# Allegro board P2597_B04_Allegro_layout.brd (continued)
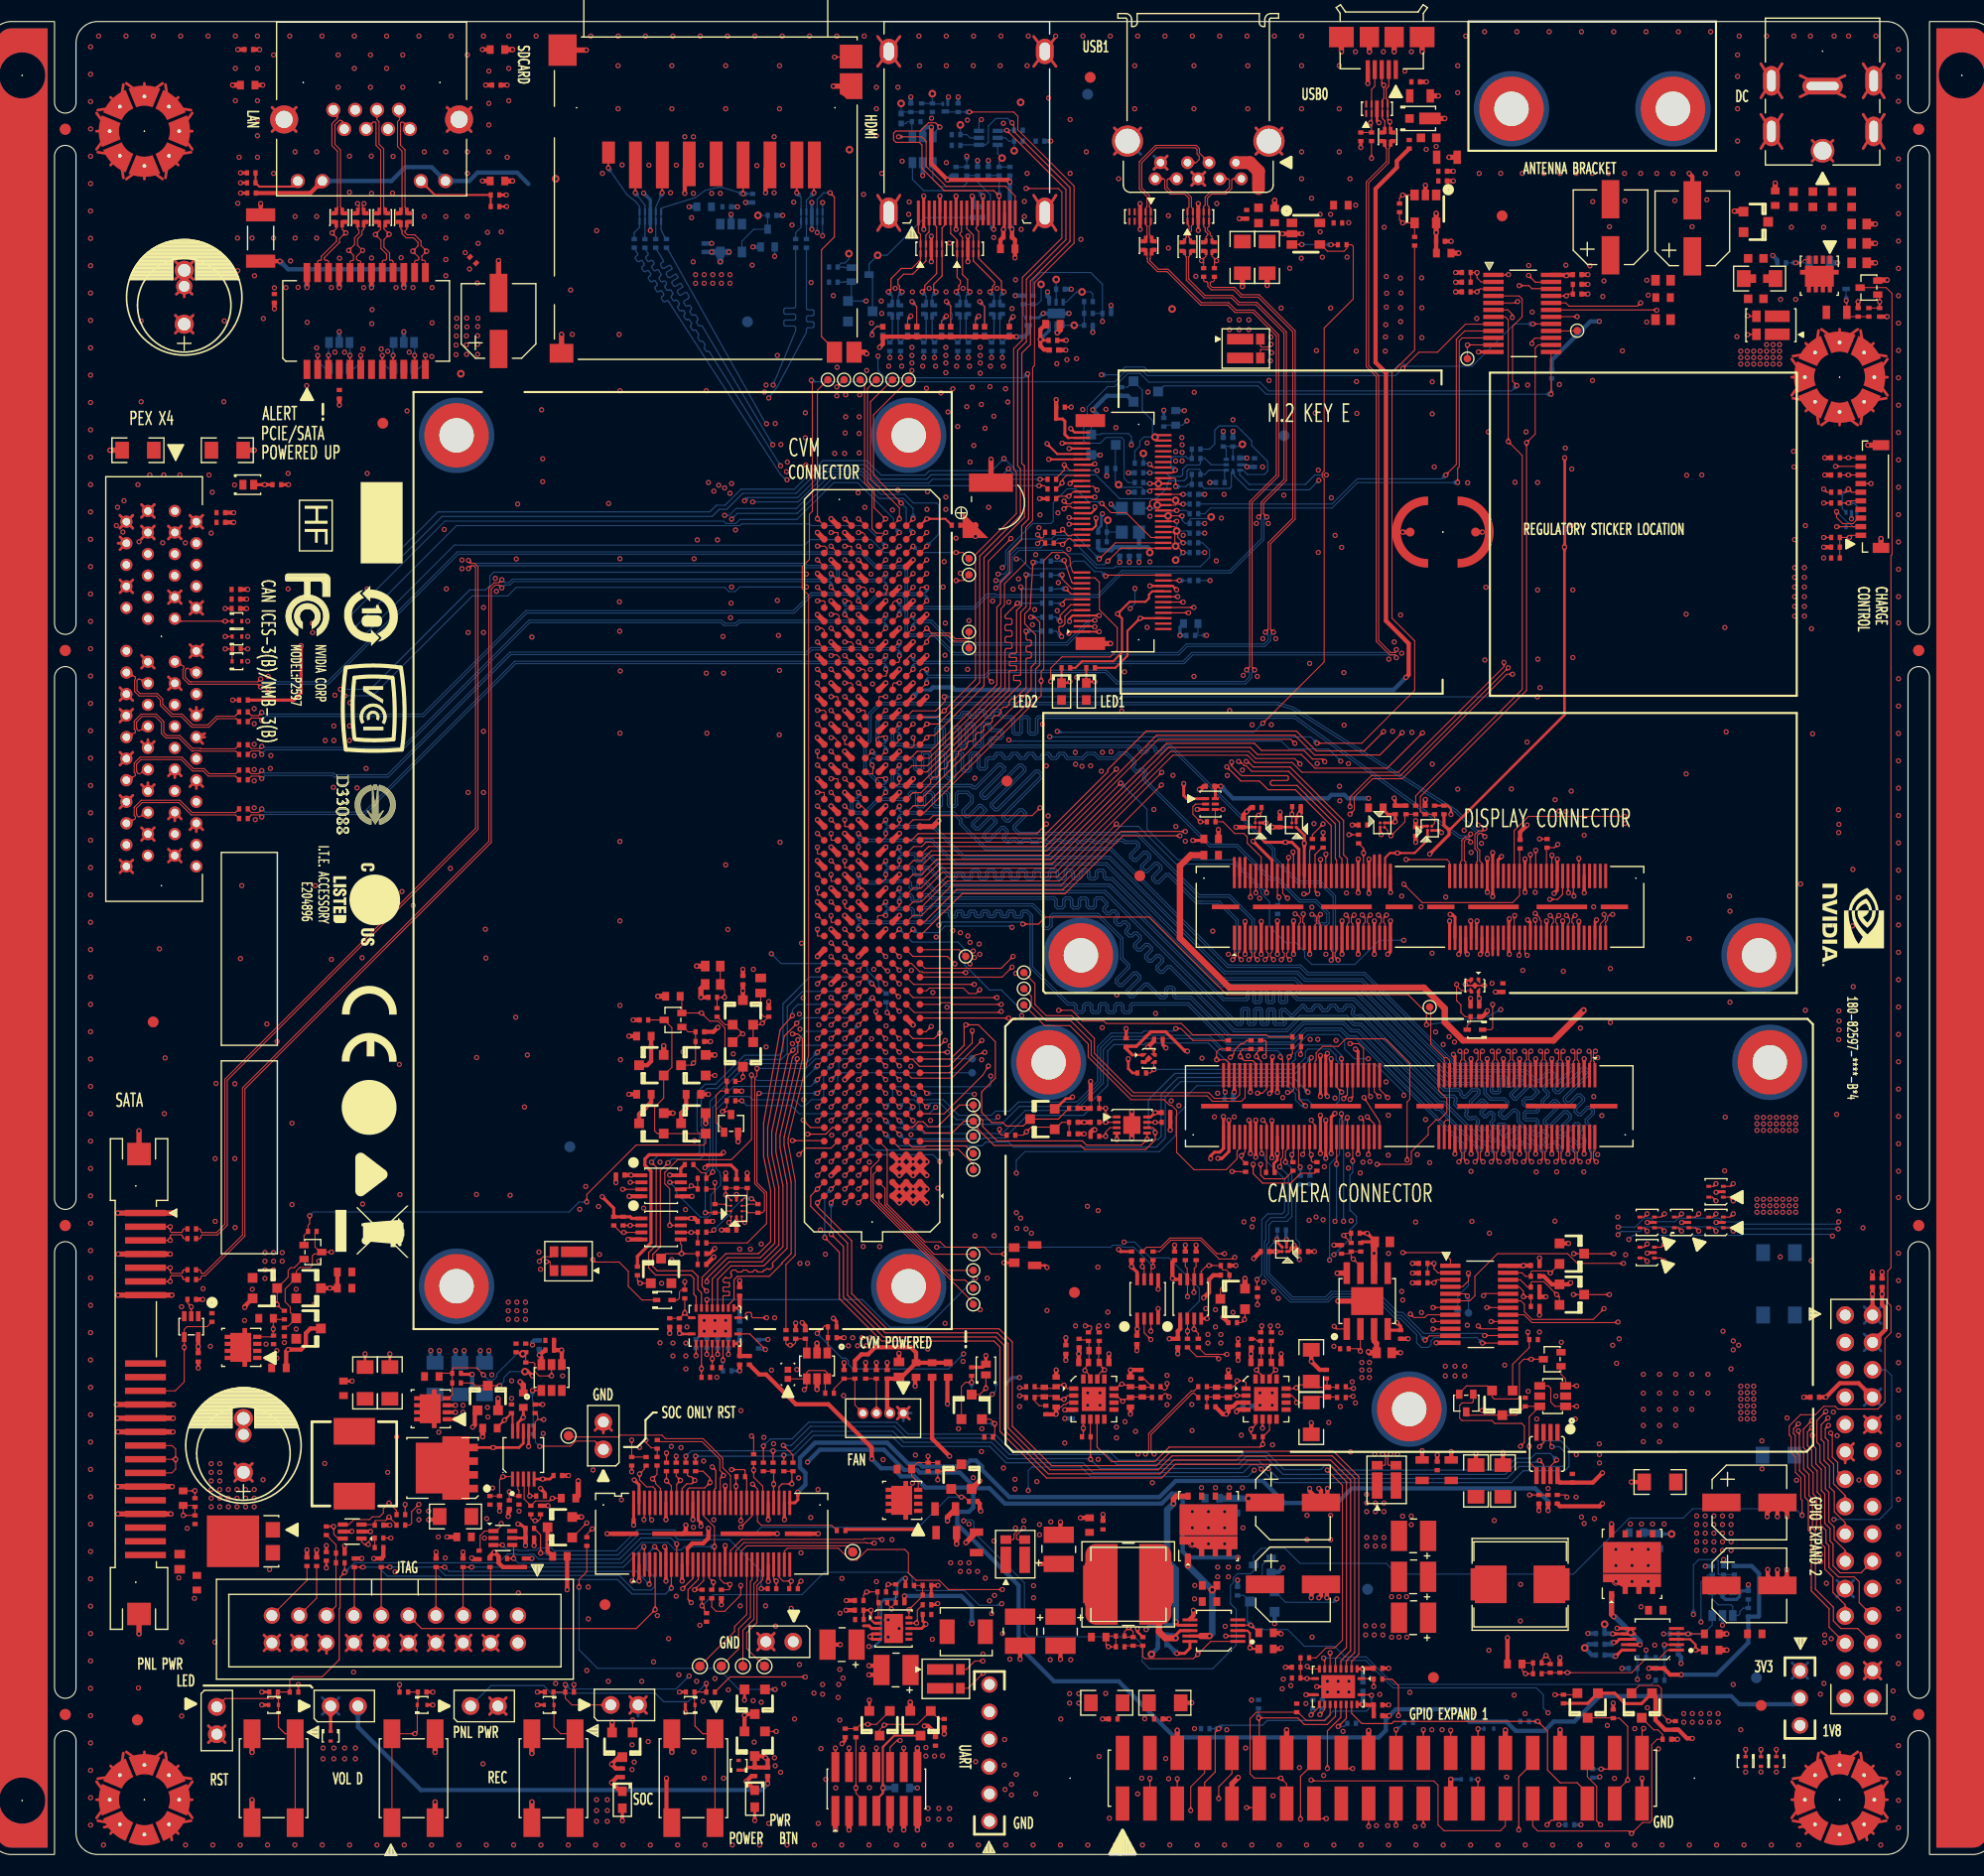
[diagram p0: board, top side]
## Library data of the parts (continued)
Q19 = Q_FET_P_ENH: alternate symbols: (); part number: Q_FET_P_ENH_DFN3X3-AM7321P,-20V,-1000MOHM@10V / 14MOHM@4.5V / 19MOHM@2.5V,-13A,-50A,8V,3.5W,[ ]@10V / [ ]@4.5V / [ ]@2.5V,300-0726-000
Q20 = Q_FET_P_ENH: alternate symbols: (); part number: Q_FET_P_ENH_SOT23_1G1D1S-SI2305CDS,-8V,35MOHM@10V / 35MOHM@4.5V / 35MOHM@2.5V,-5.8A,-10A,8V,1.7W,[ ]@10V / [ ]@4.5V / [ ]@2.5V,300-0568-000
Q23 Q29 = Q_FET_N_ENH: alternate symbols: (); part number: Q_FET_N_ENH_WPAK_DUAL_COPAD-SIZ918DT-T1-GE3,30V / 30V,12MOHM,3.7MOHM@10V / 14.5MOHM,4.5MOHM@4.5V / -1000MOHM,-1000MOHM@2.5V,14.3A / 26A,50A / 110A,20V / 20V,4.2W / 4.2W,[ ],[ ]@10V / [ ],[ ]@4.5V / [ ],[ ]@2.5V,300-0785-000
Q505 = Q_FET_N_ENH: alternate symbols: (); part number: Q_FET_N_ENH_DFN1006-DMN26D0UFB4,20V,999MOHM@10V / 3000MOHM@4.5V / 4000MOHM@2.5V,0.14A,0.805A,10V,0.35W,999NC@10V / 999NC@4.5V / 999NC@2.5V,300-0868-000
Q506 = Q_FET_N_ENH: alternate symbols: (); part number: Q_FET_N_ENH_SOT363-NTJD4001N,30V,1500MOHM@10V / 1500MOHM@4.5V / 1500MOHM@2.5V,0.25A,0.25A,20V,0.272W,[ ]@10V / [ ]@4.5V / [ ]@2.5V,300-0402-000
Q507 = Q_NPN: alternate symbols: (); part number: Q_NPN_DFN1006-MMBT3904LP-7,40V,0.3V,0.2A,9999A,6V,0.25W,300-0869-000
R1 = R: alternate symbols: (0402_OLD); part number: R_0402-49.9K,1 %,62.5MW,195-0340-000; signal model: nv_res
R2 = R: alternate symbols: (0402_OLD); part number: R_0402-10OHM,5 %,62.5MW,195-0483-000; signal model: nv_res
R3 R273 R501 R504 R506 R509 R513 R522 = R: alternate symbols: (0402_OLD); part number: R_0402-10K,5 %,62.5MW,195-0486-000; signal model: nv_res; signal model: DEFAULT_RESISTOR_10000OHM_2_1
R6 R12 R14 R25 R30-R35 R40 R42 R45 R56 R59 R74 R79-R82 R84-R87 R89 R90 R95 R100 R102 R109 R120 R122 R142 R143 R145 R147 R152 R165 R168 R175 R178 R182 R187 R189 R191 R192 R194 R197 R198 R202 R206 R207 R209 R218 R222-R224 R226 R230 R231 R238 R253 R270 R304 R310-R313 R316-R319 R322 R342 R343 R348 R507 R508 R510 R511 R517-R519 R526-R532 R537 R539-R542 R545 R547 R557 R558 R560 R564 R569 R572 R585 R592 R593 = R: alternate symbols: (0402_OLD); part number: R_0402-0OHM,0.05 OHM,62.5MW,195-2655-000; signal model: nv_res
R7 R49 R51 R62 R63 R78 R83 R94 R105 R112-R114 R121 R127 R128 R132 R174 R177 R188 R190 R237 R272 R301 R314 R315 R324 R325 R544 R578 R580 = R: alternate symbols: (0402_OLD); part number: R_0402-100K,1 %,62.5MW,195-0005-000; signal model: nv_res
R8 R46 R47 = R: alternate symbols: (0603_OLD); part number: R_0603-0OHM,0.05 OHM,0.1W,195-2656-000; signal model: nv_res; signal model: DEFAULT_RESISTOR_0.001OHM_2_1
R10 R44 = R: alternate symbols: (0402_OLD); part number: R_0402-681OHM,1 %,62.5MW,195-0403-000; signal model: nv_res; signal model: DEFAULT_RESISTOR_510OHM_2_1
R11 R37 R129 = R: alternate symbols: (0402_OLD); part number: R_0402-75K,5 %,62.5MW,195-0634-000; signal model: nv_res
R13 R115 R131 R323 R548 R549 = R: alternate symbols: (0402_OLD); part number: R_0402-4.7K,5 %,62.5MW,195-0598-000; signal model: nv_res
R15 R16 R38 R43 R48 R92 R93 R96 R98 R117 R118 R148 R149 R155-R158 R172 R232-R234 R236 R239-R241 R246-R249 R254 R255 R259 R260 R559 R570 R573 = R: alternate symbols: (0402_OLD); part number: R_0402-10K,5 %,62.5MW,195-0486-000; signal model: nv_res
R17 R18 R20 R21 R23 R24 R26 R28 R41 R52 R66-R69 R71 R73 R76 R91 R103 R106-R108 R110 R111 R135 R150 R167 R169 R173 R176 R181 R186 R220 R229 R268 R269 R551-R556 = R: alternate symbols: (0402_OLD); part number: R_0402-0OHM,0.05 OHM,62.5MW,195-2655-000; signal model: nv_res; signal model: DEFAULT_RESISTOR_0.001OHM_2_1
R19 R22 R27 R29 R36 R39 R77 R116 R144 R164 R196 R200 R205 R215 R228 R235 R242 R244 R257 R261-R263 R266 R267 R271 R274 R306 R320 R503 R516 R520 R521 R523 R525 R543 R546 R591 = R: alternate symbols: (0402_OLD); part number: R_0402-47K,5 %,62.5MW,195-0599-000; signal model: nv_res
R50 = R: alternate symbols: (0402_OLD); part number: R_0402-20OHM,5 %,62.5MW,195-0533-000; signal model: nv_res
R53 = R: alternate symbols: (0402_OLD); part number: R_0402-2.21K,1 %,62.5MW,195-0169-000; signal model: nv_res
R54 = R: alternate symbols: (0402_OLD); part number: R_0402-16.2K,1 %,62.5MW,195-0105-000; signal model: nv_res
R55 = R: alternate symbols: (0402_OLD); part number: R_0402-5.9K,1 %,62.5MW,195-0374-000; signal model: nv_res
R57 R65 = R: alternate symbols: (0603_OLD); part number: R_0603-47OHM,5 %,0.1W,195-1246-000; signal model: nv_res
R58 R133 R138 R193 = R_SENSE_4PIN: alternate symbols: (); part number: R_SENSE_4PIN_R_SENSE_4PIN-0.01OHM,1%,1W,[ ],215-0142-000; signal model: nv_res_sense_4p_noxnet
R60 R101 R104 R146 R154 = R: alternate symbols: (0402_OLD); part number: R_0402-330OHM,5 %,62.5MW,195-0569-000; signal model: nv_res
R61 R97 R137 R305 = R: alternate symbols: (0402_OLD); part number: R_0402-0OHM,0.01 OHM,0.125W,195-1691-000; signal model: nv_res
R64 R308 = R: alternate symbols: (0603_OLD); part number: R_0603-100OHM,5 %,0.1W,195-1134-000; signal model: nv_res
R70 R119 R204 = R: alternate symbols: (0402_OLD); part number: R_0402-20K,1 %,62.5MW,195-0150-000; signal model: nv_res
R72 R99 R136 R203 R252 R321 R326-R337 R339-R341 R344-R346 R502 R505 R3238 = R: alternate symbols: (0402_OLD); part number: R_0402-1M,5 %,62.5MW,195-0488-000; signal model: nv_res
R75 = R: alternate symbols: (0603_OLD); part number: R_0603-36OHM,5 %,0.1W,195-1225-000; signal model: nv_res
R88 = R: alternate symbols: (0402_OLD); part number: R_0402-10M,5 %,62.5MW,195-0489-000; signal model: nv_res
R123 = R: alternate symbols: (0402_OLD); part number: R_0402-25.5K,1 %,62.5MW,195-0200-000; signal model: nv_res
R124 R139 R140 R153 R160 R170 R171 R179 R180 R199 R201 R208 R210 R213 R214 R589 R590 R594-R596 = R: alternate symbols: (0402_OLD); part number: R_0402-10OHM,1 %,62.5MW,195-0001-000; signal model: nv_res
R125 R349 R524 R538 R561 R574 = R: alternate symbols: (0402_OLD); part number: R_0402-1.8K,5 %,62.5MW,195-0528-000; signal model: nv_res
R126 R130 R134 R183 R184 R221 = R: alternate symbols: (0603_OLD); part number: R_0603-0OHM,0.05 OHM,0.1W,195-2656-000; signal model: nv_res
R141 R151 R163 R185 R195 R211 = R: alternate symbols: (0402_OLD); part number: R_0402-680K,5 %,62.5MW,195-0628-000; signal model: nv_res
R159 R243 = R: alternate symbols: (0603_OLD); part number: R_0603-10OHM,1 %,0.1W,195-0651-000; signal model: nv_res
R161 R217 R250 = R: alternate symbols: (0402_OLD); part number: R_0402-1K,5 %,62.5MW,195-0485-000; signal model: nv_res
R162 = R: alternate symbols: (0402_OLD); part number: R_0402-71.5K,1 %,62.5MW,195-0415-000; signal model: nv_res
R166 = R: alternate symbols: (0402_OLD); part number: R_0402-21.5K,1 %,62.5MW,195-0165-000; signal model: nv_res
R212 = R: alternate symbols: (0402_OLD); part number: R_0402-24.3K,1 %,62.5MW,195-0190-000; signal model: nv_res
R216 R300 = R: alternate symbols: (0402_OLD); part number: R_0402-100OHM,5 %,62.5MW,195-0484-000; signal model: nv_res
R219 = R: alternate symbols: (0402_OLD); part number: R_0402-61.9K,1 %,62.5MW,195-0385-000; signal model: nv_res
R225 = R_SENSE_4PIN: alternate symbols: (); part number: R_SENSE_4PIN_R_SENSE_4PIN-0.005OHM,1%,1W,[ ],215-0164-000; signal model: nv_res_sense_4p_noxnet
R227 = R: alternate symbols: (0402_OLD); part number: R_0402-100OHM,5 %,62.5MW,195-0484-000; signal model: nv_res; signal model: DEFAULT_RESISTOR_0.001OHM_2_1
R251 = R: alternate symbols: (0402_OLD); part number: R_0402-121K,1 %,62.5MW,195-0046-000; signal model: nv_res; signal model: DEFAULT_RESISTOR_4750OHM_2_1
R256 = R: alternate symbols: (0402_OLD); part number: R_0402-22.1K,1 %,62.5MW,195-0170-000; signal model: nv_res; signal model: DEFAULT_RESISTOR_649OHM_2_1
R264 = R: alternate symbols: (); part number: R_1206-0OHM,0.005 OHM,0.5W,195-1768-000; signal model: nv_res
R265 = R_SENSE_4PIN: alternate symbols: (); part number: R_SENSE_4PIN_R_SENSE_4PIN-0.02OHM,1%,1W,[ ],215-0168-000; signal model: nv_res_sense_4p_noxnet
R302 = R: alternate symbols: (0402_OLD); part number: R_0402-27.4K,1 %,62.5MW,195-0215-000; signal model: nv_res
R303 = R: alternate symbols: (0402_OLD); part number: R_0402-10K,1 %,62.5MW,195-0004-000; signal model: nv_res
R307 = R: alternate symbols: (0402_OLD); part number: R_0402-121OHM,1 %,62.5MW,195-0043-000; signal model: nv_res
R309 R347 = R: alternate symbols: (0603_OLD); part number: R_0603-470OHM,5 %,0.1W,195-1247-000; signal model: nv_res
R512 R533 = R: alternate symbols: (0603_OLD); part number: R_0603-3.3OHM,5 %,0.1W,195-1217-000; signal model: nv_res
R514 R535 = R: alternate symbols: (0402_OLD); part number: R_0402-75K,5 %,62.5MW,195-0634-000; signal model: nv_res; signal model: DEFAULT_RESISTOR_22100OHM_2_1
R515 R536 = R: alternate symbols: (0402_OLD); part number: R_0402-1OHM,5 %,62.5MW,195-0482-000; signal model: nv_res; signal model: DEFAULT_RESISTOR_1OHM_2_1
R534 = R: alternate symbols: (0402_OLD); part number: R_0402-200K,5 %,62.5MW,195-0537-000; signal model: nv_res; signal model: DEFAULT_RESISTOR_200000OHM_2_1
R550 = R: alternate symbols: (0402_OLD); part number: R_0402-88.7K,1 %,62.5MW,195-0460-000; signal model: nv_res
R562 R566 R567 R575 R576 R581 R582 R586 = R: alternate symbols: (0402_OLD); part number: R_0402-499OHM,1 %,62.5MW,195-0338-000; signal model: nv_res
R563 R565 = R: alternate symbols: (0402_OLD); part number: R_0402-3.3OHM,5 %,62.5MW,195-0567-000; signal model: nv_res
R568 R571 R577 R579 R583 R584 = R: alternate symbols: (0402_OLD); part number: R_0402-5.6OHM,5 %,62.5MW,195-0609-000; signal model: nv_res
R587 = R: alternate symbols: (0402_OLD); part number: R_0402-32.4K,1 %,62.5MW,195-0250-000; signal model: nv_res
R588 = R: alternate symbols: (0402_OLD); part number: R_0402-162K,1 %,62.5MW,195-0106-000; signal model: nv_res
R597 R598 = R: alternate symbols: (0402_OLD); part number: R_0402-75OHM,5 %,62.5MW,195-0631-000; signal model: nv_res
R599 R600 = R: alternate symbols: (0402_OLD); part number: R_0402-75OHM,5 %,62.5MW,195-0631-000; signal model: nv_res; signal model: DEFAULT_RESISTOR_75OHM_2_1
RS1 = R_SENSE: alternate symbols: (); part number: R_SENSE_1206-0.007OHM,1%,0.5W,[ ],215-0064-000; signal model: nv_res_noxnet
S1-S4 = SW_SPST_PB: alternate symbols: (); part number: SW_SPST_PB_SMD_4-DTSMW67N,N/A,N/A,0,YES,N/A,N/A,12V,50MA,280-0060-000
T1 = TR_ENET_MAGCOM: alternate symbols: (); part number: TR_ENET_MAGCOM_SOP24-M3295NL,1:1,1500V(RMS),0HZ..100MHZ,50OHM..50OHM,295-0036-000
TP2-TP6 TP9 = LABTESTPOINT: alternate symbols: (LTPT35C49P,LTPT35C49P24C12P,LTPT35C49P18C10P,LTPT32C49P,LTPT32C49P18C10P,LTPT28C49P,LTPT28C49P18C10P,LTPT24C,LTPT24C12P,LTPT18C,LTPT18C10P,LTPT10C,LTP_008X015); part number: LABTESTPOINT_PIN-LABTESTPOINT
TP7 TP8 TP10-TP33 TP501-TP504 = LABTESTPOINT: alternate symbols: (LTPT28C49P,LTPT28C49P18C10P,LTPT24C,LTPT24C12P,LTPT18C,LTPT18C10P,LTPT18C,LTPT10C); part number: LABTESTPOINT_B28-LABTESTPOINT
U1 = U_BUF_OD: alternate symbols: (); part number: U_BUF_OD_SC70_5-74LVC1G07GW/SN74LVC1G07DCKRE4,BUFFER - OPEN DRAIN,115-0138-000
U2 U3 = U_BUF_OD: alternate symbols: (); part number: U_BUF_OD_SC70_6-NC7WZ07,BUFFER - OPEN DRAIN,115-1012-000
U4 = U_DCDC_BOOST_LM3481: alternate symbols: (); part number: U_DCDC_BOOST_LM3481_MSOP10-LM3481MMX/NOPB,SEPIC,1PH,1MHZ,NONE,2.97V..48V,1.5%,1.275V,48V,1A,[ ],315-0763-000
U5 U6 U12 U14 = U_LEVSHFT_3STATE: alternate symbols: (); part number: U_LEVSHFT_3STATE_SSOP8-SN74LVC2T45,LEVEL SHIFTER,115-0340-000
U7 U22 = U_LEVSHFT_TXB0108: alternate symbols: (); part number: U_LEVSHFT_TXB0108_QFN20-TXB0108RGYR,LEVEL SHIFTER,115-1921-000
U8 = U_SW_ANA_SPDT: alternate symbols: (); part number: U_SW_ANA_SPDT_BGA10-TS5A22362YZPR,SWITCH - ANALOG,115-1461-000
U9 = U_OPENVREG_TYPE0: alternate symbols: (); part number: U_OPENVREG_TYPE0_DFN10-APW8805,BUCK,1PH,1MHZ,NONE,0.6V..6V,1%,0.8V,6V,3A,1.429W,315-0832-000
U10 U18 = U_PWRMTR_INA3221: alternate symbols: (); part number: U_PWRMTR_INA3221_QFN16-INA3221AIRGVR,-9999V..9999V,-9999V..9999V,9999A,MONITOR,115-1066-000
U11 = U_MEM_EE_I2C: alternate symbols: (); part number: U_MEM_EE_I2C_DFN08-1MHZ,1.7V..3.6V,AT24C02D-MAHM-T,174-0159-000
U13 U27 = U_VREG_RP114X: alternate symbols: (); part number: U_VREG_RP114X_DFN-TLV73312PDQNR,LOW DROP OUT/FIXED,0.45V@0.3A,1.2V..1.2V,1.4%,0MV,5.5V,0.3A,0.4W,315-0934-000
U15 = U_BUF_FXLP34: alternate symbols: (); part number: U_BUF_FXLP34_SC70_34L6-SN74AUP1T34DRYR,TRANSLATOR,115-1283-000
U16 U31 = U_SWREG_TPS53015: alternate symbols: (); part number: U_SWREG_TPS53015_XSOP10-TPS53015,BUCK,1PH,500KHZ,NONE,0.77V..7V,1%,0.773V,28V,10A,50W,316-0314-000
U17 U19 U20 U24 U26 = U_SW_LOAD: alternate symbols: (); part number: U_SW_LOAD_BGA04-TPS22915BYFPR,-9999V..9999V,-9999V..9999V,9999A,SWITCH,115-1834-000
U21 U25 = U_POWER_SW: alternate symbols: (); part number: U_POWER_SW_SOT23_5B-APL3511CBI-TRG,-9999V..9999V,-9999V..9999V,9999A,SWITCH,115-0836-000
U23 = U_VREG_APL5910: alternate symbols: (); part number: U_VREG_APL5910_SOP8-APL5932AKAI,ULTRA LOW DROP OUT,0.23V@3A,[ ]..5.5V,1.5%,[ ],6V,3A,2W,315-0808-000
U28 U29 = U_I2C_EXP_TCA9539: alternate symbols: (); part number: U_I2C_EXP_TCA9539_TSOP24-TCA9539PWR,I/O EXPANDER,115-0674-000
U30 = U_I2C_PCA9515A: alternate symbols: (); part number: U_I2C_PCA9515A_MSOP8-PCA9515ADP,LEVEL SHIFTER,115-0401-000
U32 = U_RST_TPS3808: alternate symbols: (); part number: U_RST_TPS3808_SOT23-6-TPS3808G01DBVR,RESET,115-2045-000
U501 = U_I2C_PCA9306: alternate symbols: (); part number: U_I2C_PCA9306_QFN8-PCA9306AMUTCG,LEVEL SHIFTER,115-0785-000
U502 = POWER_SW2: part number: POWER_SW2_SON7_R-RT9728AHGQW,POWER SWITCH,115-1581-000
U503 = U_POWER_SW: alternate symbols: (); part number: U_POWER_SW_SOT23_5C-APL3511DBI-TRG,-9999V..9999V,-9999V..9999V,9999A,SWITCH,115-1238-000
Y501 = OSC_4PIN: alternate symbols: (); part number: OSC_4PIN_SMD_32X25-ASHEK-32.768KHZ-L-T,32.768KHZ,25PPM,5PPM,-1PPM,15PF,086-0143-000

## Footprints (pads in the part's own frame, mm; a bottom-side part is the same pattern mirrored in y, then rotated)
0402
  rect 0.4x0.5 smd: 1(-0.4,0) 2(0.4,0)
0402_LARGE
  rect 0.5x0.7 smd: 1(-0.45,0) 2(0.45,0)
0603
  rect 0.65x0.81 smd: 1(-0.675,0) 2(0.675,0)
0603_LARGE
  rect 0.8x1 smd: 1(-0.7,0) 2(0.7,0)
0805
  rect 0.7x1.25 smd: 1(-0.952,0) 2(0.952,0)
1206
  rect 1.27x1.57 smd: 1(-1.473,0) 2(1.473,0)
4520MM
  rect 1.22x2.72 smd: 1(-2.15,0) 2(2.15,0)
BGA_0004_P040_008X008
  round 0.298 smd: A1(-0.2,0.2) A2(0.2,0.2) B1(-0.2,-0.2) B2(0.2,-0.2)
BGA_0010_P050_013X020_MARK_A3
  round 0.25 smd: A1(0.5,-0.75) A2(0,-0.75) A3(-0.5,-0.75) B1(0.5,-0.25) B3(-0.5,-0.25) C1(0.5,0.25) C3(-0.5,0.25) D1(0.5,0.75) D2(0,0.75) D3(-0.5,0.75)
CAP_SMD_048X048
  custom 2.388x2.388 smd: 1(2.1,2.1)
  rect 4.1x1.7 smd: 2(0.65,-1.85)
CAP_SMD_066X066
  rect 3.56x1.65 smd: 1(-2.603,0) 2(2.603,0)
CAP_SMD_3528
  rect 1.52x2.82 smd: 1(-1.35,0) 2(1.35,0)
CON_DCPWR_JACK_006_TH_RA_100X130
  round 0.13 hole 1.65 unplated: (0,9.25)
  round 2.2 hole 1.7: 1(0,0)
  oval 3.75x1.55 hole 3x0.8: 2(0,6)
  oval 1.55x2.75 hole 0.8x2: 3(-4.75,1.8) 4(-4.75,6.5) 5(4.75,6.5) 6(4.75,1.8)
CON_FMC_050X008_BGA_ST_M_P013
  round 0.13 hole 1.27 unplated: (-33.096,0) (33.984,3.05)
  round 0.64 smd: A1(-30.671,-4.445) A2(-29.401,-4.445) A3(-28.131,-4.445) A4(-26.861,-4.445) A5(-25.591,-4.445) A6(-24.321,-4.445) A7(-23.051,-4.445) A8(-21.781,-4.445) A9(-20.511,-4.445) A10(-19.241,-4.445) A11(-17.971,-4.445) A12(-16.701,-4.445) A13(-15.431,-4.445) A14(-14.161,-4.445) A15(-12.891,-4.445) A16(-11.621,-4.445) A17(-10.351,-4.445) A18(-9.081,-4.445) A19(-7.811,-4.445) A20(-6.541,-4.445) A21(-5.271,-4.445) A22(-4.001,-4.445) A23(-2.731,-4.445) A24(-1.461,-4.445) A25(-0.191,-4.445) A26(1.079,-4.445) A27(2.349,-4.445) A28(3.619,-4.445) A29(4.889,-4.445) A30(6.159,-4.445) A31(7.429,-4.445) A32(8.699,-4.445) A33(9.969,-4.445) A34(11.239,-4.445) A35(12.509,-4.445) A36(13.779,-4.445) A37(15.049,-4.445) A38(16.319,-4.445) A39(17.589,-4.445) A40(18.859,-4.445) A41(20.129,-4.445) A42(21.399,-4.445) A43(22.669,-4.445) A44(23.939,-4.445) A45(25.209,-4.445) A46(26.479,-4.445) A47(27.749,-4.445) A48(29.019,-4.445) A49(30.289,-4.445) A50(31.559,-4.445) B1(-30.671,-3.175) B2(-29.401,-3.175) B3(-28.131,-3.175) B4(-26.861,-3.175) B5(-25.591,-3.175) B6(-24.321,-3.175) B7(-23.051,-3.175) B8(-21.781,-3.175) B9(-20.511,-3.175) B10(-19.241,-3.175) B11(-17.971,-3.175) B12(-16.701,-3.175) B13(-15.431,-3.175) B14(-14.161,-3.175) B15(-12.891,-3.175) B16(-11.621,-3.175) B17(-10.351,-3.175) B18(-9.081,-3.175) B19(-7.811,-3.175) B20(-6.541,-3.175) B21(-5.271,-3.175) B22(-4.001,-3.175) B23(-2.731,-3.175) B24(-1.461,-3.175) B25(-0.191,-3.175) B26(1.079,-3.175) B27(2.349,-3.175) B28(3.619,-3.175) B29(4.889,-3.175) B30(6.159,-3.175) B31(7.429,-3.175) B32(8.699,-3.175) B33(9.969,-3.175) B34(11.239,-3.175) B35(12.509,-3.175) B36(13.779,-3.175) B37(15.049,-3.175) B38(16.319,-3.175) B39(17.589,-3.175) B40(18.859,-3.175) B41(20.129,-3.175) B42(21.399,-3.175) B43(22.669,-3.175) B44(23.939,-3.175) B45(25.209,-3.175) B46(26.479,-3.175) B47(27.749,-3.175) B48(29.019,-3.175) B49(30.289,-3.175) B50(31.559,-3.175) C1(-30.671,-1.905) C2(-29.401,-1.905) C3(-28.131,-1.905) C4(-26.861,-1.905) C5(-25.591,-1.905) C6(-24.321,-1.905) C7(-23.051,-1.905) C8(-21.781,-1.905) C9(-20.511,-1.905) C10(-19.241,-1.905) C11(-17.971,-1.905) C12(-16.701,-1.905) C13(-15.431,-1.905) C14(-14.161,-1.905) C15(-12.891,-1.905) C16(-11.621,-1.905) C17(-10.351,-1.905) C18(-9.081,-1.905) C19(-7.811,-1.905) C20(-6.541,-1.905) C21(-5.271,-1.905) C22(-4.001,-1.905) C23(-2.731,-1.905) C24(-1.461,-1.905) C25(-0.191,-1.905) C26(1.079,-1.905) C27(2.349,-1.905) C28(3.619,-1.905) C29(4.889,-1.905) C30(6.159,-1.905) C31(7.429,-1.905) C32(8.699,-1.905) C33(9.969,-1.905) C34(11.239,-1.905) C35(12.509,-1.905) C36(13.779,-1.905) C37(15.049,-1.905) C38(16.319,-1.905) C39(17.589,-1.905) C40(18.859,-1.905) C41(20.129,-1.905) C42(21.399,-1.905) C43(22.669,-1.905) C44(23.939,-1.905) C45(25.209,-1.905) C46(26.479,-1.905) C47(27.749,-1.905) C48(29.019,-1.905) C49(30.289,-1.905) C50(31.559,-1.905) D1(-30.671,-0.635) D2(-29.401,-0.635) D3(-28.131,-0.635) D4(-26.861,-0.635) D5(-25.591,-0.635) D6(-24.321,-0.635) D7(-23.051,-0.635) D8(-21.781,-0.635) D9(-20.511,-0.635) D10(-19.241,-0.635) D11(-17.971,-0.635) D12(-16.701,-0.635) D13(-15.431,-0.635) D14(-14.161,-0.635) D15(-12.891,-0.635) D16(-11.621,-0.635) D17(-10.351,-0.635) D18(-9.081,-0.635) D19(-7.811,-0.635) D20(-6.541,-0.635) D21(-5.271,-0.635) D22(-4.001,-0.635) D23(-2.731,-0.635) D24(-1.461,-0.635) D25(-0.191,-0.635) D26(1.079,-0.635) D27(2.349,-0.635) D28(3.619,-0.635) D29(4.889,-0.635) D30(6.159,-0.635) D31(7.429,-0.635) D32(8.699,-0.635) D33(9.969,-0.635) D34(11.239,-0.635) D35(12.509,-0.635) D36(13.779,-0.635) D37(15.049,-0.635) D38(16.319,-0.635) D39(17.589,-0.635) D40(18.859,-0.635) D41(20.129,-0.635) D42(21.399,-0.635) D43(22.669,-0.635) D44(23.939,-0.635) D45(25.209,-0.635) D46(26.479,-0.635) D47(27.749,-0.635) D48(29.019,-0.635) D49(30.289,-0.635) D50(31.559,-0.635) E1(-30.671,0.635) E2(-29.401,0.635) E3(-28.131,0.635) E4(-26.861,0.635) E5(-25.591,0.635) E6(-24.321,0.635) E7(-23.051,0.635) E8(-21.781,0.635) E9(-20.511,0.635) E10(-19.241,0.635) E11(-17.971,0.635) E12(-16.701,0.635) E13(-15.431,0.635) E14(-14.161,0.635) E15(-12.891,0.635) E16(-11.621,0.635) E17(-10.351,0.635) E18(-9.081,0.635) E19(-7.811,0.635) E20(-6.541,0.635) E21(-5.271,0.635) E22(-4.001,0.635) E23(-2.731,0.635) E24(-1.461,0.635) E25(-0.191,0.635) E26(1.079,0.635) E27(2.349,0.635) E28(3.619,0.635) E29(4.889,0.635) E30(6.159,0.635) E31(7.429,0.635) E32(8.699,0.635) E33(9.969,0.635) E34(11.239,0.635) E35(12.509,0.635) E36(13.779,0.635) E37(15.049,0.635) E38(16.319,0.635) E39(17.589,0.635) E40(18.859,0.635) E41(20.129,0.635) E42(21.399,0.635) E43(22.669,0.635) E44(23.939,0.635) E45(25.209,0.635) E46(26.479,0.635) E47(27.749,0.635) E48(29.019,0.635) E49(30.289,0.635) E50(31.559,0.635) F1(-30.671,1.905) F2(-29.401,1.905) F3(-28.131,1.905) F4(-26.861,1.905) F5(-25.591,1.905) F6(-24.321,1.905) F7(-23.051,1.905) F8(-21.781,1.905) F9(-20.511,1.905) F10(-19.241,1.905) F11(-17.971,1.905) F12(-16.701,1.905) F13(-15.431,1.905) F14(-14.161,1.905) F15(-12.891,1.905) F16(-11.621,1.905) F17(-10.351,1.905) F18(-9.081,1.905) F19(-7.811,1.905) F20(-6.541,1.905) F21(-5.271,1.905) F22(-4.001,1.905) F23(-2.731,1.905) F24(-1.461,1.905) F25(-0.191,1.905) F26(1.079,1.905) F27(2.349,1.905) F28(3.619,1.905) F29(4.889,1.905) F30(6.159,1.905) F31(7.429,1.905) F32(8.699,1.905) F33(9.969,1.905) F34(11.239,1.905) F35(12.509,1.905) F36(13.779,1.905) F37(15.049,1.905) F38(16.319,1.905) F39(17.589,1.905) F40(18.859,1.905) F41(20.129,1.905) F42(21.399,1.905) F43(22.669,1.905) F44(23.939,1.905) F45(25.209,1.905) F46(26.479,1.905) F47(27.749,1.905) F48(29.019,1.905) F49(30.289,1.905) F50(31.559,1.905) G1(-30.671,3.175) G2(-29.401,3.175) G3(-28.131,3.175) G4(-26.861,3.175) G5(-25.591,3.175) G6(-24.321,3.175) G7(-23.051,3.175) G8(-21.781,3.175) G9(-20.511,3.175) G10(-19.241,3.175) G11(-17.971,3.175) G12(-16.701,3.175) G13(-15.431,3.175) G14(-14.161,3.175) G15(-12.891,3.175) G16(-11.621,3.175) G17(-10.351,3.175) G18(-9.081,3.175) G19(-7.811,3.175) G20(-6.541,3.175) G21(-5.271,3.175) G22(-4.001,3.175) G23(-2.731,3.175) G24(-1.461,3.175) G25(-0.191,3.175) G26(1.079,3.175) G27(2.349,3.175) G28(3.619,3.175) G29(4.889,3.175) G30(6.159,3.175) G31(7.429,3.175) G32(8.699,3.175) G33(9.969,3.175) G34(11.239,3.175) G35(12.509,3.175) G36(13.779,3.175) G37(15.049,3.175) G38(16.319,3.175) G39(17.589,3.175) G40(18.859,3.175) G41(20.129,3.175) G42(21.399,3.175) G43(22.669,3.175) G44(23.939,3.175) G45(25.209,3.175) G46(26.479,3.175) G47(27.749,3.175) G48(29.019,3.175) G49(30.289,3.175) G50(31.559,3.175) H1(-30.671,4.445) H2(-29.401,4.445) H3(-28.131,4.445) H4(-26.861,4.445) H5(-25.591,4.445) H6(-24.321,4.445) H7(-23.051,4.445) H8(-21.781,4.445) H9(-20.511,4.445) H10(-19.241,4.445) H11(-17.971,4.445) H12(-16.701,4.445) H13(-15.431,4.445) H14(-14.161,4.445) H15(-12.891,4.445) H16(-11.621,4.445) H17(-10.351,4.445) H18(-9.081,4.445) H19(-7.811,4.445) H20(-6.541,4.445) H21(-5.271,4.445) H22(-4.001,4.445) H23(-2.731,4.445) H24(-1.461,4.445) H25(-0.191,4.445) H26(1.079,4.445) H27(2.349,4.445) H28(3.619,4.445) H29(4.889,4.445) H30(6.159,4.445) H31(7.429,4.445) H32(8.699,4.445) H33(9.969,4.445) H34(11.239,4.445) H35(12.509,4.445) H36(13.779,4.445) H37(15.049,4.445) H38(16.319,4.445) H39(17.589,4.445) H40(18.859,4.445) H41(20.129,4.445) H42(21.399,4.445) H43(22.669,4.445) H44(23.939,4.445) H45(25.209,4.445) H46(26.479,4.445) H47(27.749,4.445) H48(29.019,4.445) H49(30.289,4.445) H50(31.559,4.445)
CON_FTSH_002X007_SMD_ST_M_P013
  rect 0.74x2.79 smd: 1(-3.81,-2.035) 2(-3.81,2.035) 3(-2.54,-2.035) 4(-2.54,2.035) 5(-1.27,-2.035) 6(-1.27,2.035) 7(0,-2.035) 8(0,2.035) 9(1.27,-2.035) 10(1.27,2.035) 11(2.54,-2.035) 12(2.54,2.035) 13(3.81,-2.035) 14(3.81,2.035)
CON_HDMI_019_SMD_RA_F_C
  rect 0.28x2.3 smd: 1(4.5,8.415) 2(4,8.415) 3(3.5,8.415) 4(3,8.415) 5(2.5,8.415) 6(2,8.415) 7(1.5,8.415) 8(1,8.415) 9(0.5,8.415) 10(0,8.415) 11(-0.5,8.415) 12(-1,8.415) 13(-1.5,8.415) 14(-2,8.415) 15(-2.5,8.415) 16(-3,8.415) 17(-3.5,8.415) 18(-4,8.415) 19(-4.5,8.415)
  oval 1.66x2.86 hole 0.9x2.1: 20(-7.25,8.415) 22(7.25,8.415)
  oval 1.66x2.36 hole 0.9x1.6: 21(-7.25,-6.575) 23(7.25,-6.575)
CON_HDR_001X002_TH_ST_M_P025
  round 1.65 hole 1.02: 1(0,0) 2(-2.54,0)
CON_HDR_001X003_TH_ST_M_P025_C
  round 1.52 hole 1.02: 1(0,0) 2(2.54,0) 3(5.08,0)
CON_HDR_001X006_TH_ST_M_P025
  round 1.52 hole 1.02: 1(0,0) 2(2.54,0) 3(5.08,0) 4(7.62,0) 5(10.16,0) 6(12.7,0)
CON_HDR_002X010_TH_ST_M_P025_SHR
  round 1.52 hole 1.02: 1(0,0) 2(0,-2.54) 3(-2.54,0) 4(-2.54,-2.54) 5(-5.08,0) 6(-5.08,-2.54) 7(-7.62,0) 8(-7.62,-2.54) 9(-10.16,0) 10(-10.16,-2.54) 11(-12.7,0) 12(-12.7,-2.54) 13(-15.24,0) 14(-15.24,-2.54) 15(-17.78,0) 16(-17.78,-2.54) 17(-20.32,0) 18(-20.32,-2.54) 19(-22.86,0) 20(-22.86,-2.54)
CON_HDR_002X015_TH_ST_M_P025
  round 1.65 hole 1.02: 1(0,0) 2(0,2.54) 3(2.54,0) 4(2.54,2.54) 5(5.08,0) 6(5.08,2.54) 7(7.62,0) 8(7.62,2.54) 9(10.16,0) 10(10.16,2.54) 11(12.7,0) 12(12.7,2.54) 13(15.24,0) 14(15.24,2.54) 15(17.78,0) 16(17.78,2.54) 17(20.32,0) 18(20.32,2.54) 19(22.86,0) 20(22.86,2.54) 21(25.4,0) 22(25.4,2.54) 23(27.94,0) 24(27.94,2.54) 25(30.48,0) 26(30.48,2.54) 27(33.02,0) 28(33.02,2.54) 29(35.56,0) 30(35.56,2.54)
CON_MINIPEX_067_SMT_RA_M2
  round 0.13 hole 1.1 unplated: (-9.999,-1.374)
  round 0.13 hole 1.6 unplated: (9.999,-1.374)
  rect 0.22x1.55 smd: 1(-9.25,3.9) 2(-9,-3.65) 3(-8.75,3.9) 4(-8.5,-3.65) 5(-8.25,3.9) 6(-8,-3.65) 7(-7.75,3.9) 8(-7.5,-3.65) 9(-7.25,3.9) 10(-7,-3.65) 11(-6.75,3.9) 12(-6.5,-3.65) 13(-6.25,3.9) 14(-6,-3.65) 15(-5.75,3.9) 16(-5.5,-3.65) 17(-5.25,3.9) 18(-5,-3.65) 19(-4.75,3.9) 20(-4.5,-3.65) 21(-4.25,3.9) 22(-4,-3.65) 23(-3.75,3.9) 32(-1.5,-3.65) 33(-1.25,3.9) 34(-1,-3.65) 35(-0.75,3.9) 36(-0.5,-3.65) 37(-0.25,3.9) 38(0,-3.65) 39(0.25,3.9) 40(0.5,-3.65) 41(0.75,3.9) 42(1,-3.65) 43(1.25,3.9) 44(1.5,-3.65) 45(1.75,3.9) 46(2,-3.65) 47(2.25,3.9) 48(2.5,-3.65) 49(2.75,3.9) 50(3,-3.65) 51(3.25,3.9) 52(3.5,-3.65) 53(3.75,3.9) 54(4,-3.65) 55(4.25,3.9) 56(4.5,-3.65) 57(4.75,3.9) 58(5,-3.65) 59(5.25,3.9) 60(5.5,-3.65) 61(5.75,3.9) 62(6,-3.65) 63(6.25,3.9) 64(6.5,-3.65) 65(6.75,3.9) 66(7,-3.65) 67(7.25,3.9) 68(7.5,-3.65) 69(7.75,3.9) 70(8,-3.65) 71(8.25,3.9) 72(8.5,-3.65) 73(8.75,3.9) 74(9,-3.65) 75(9.25,3.9)
  rect 1.2x2.75 smd: 76(-10.349,3.125) 77(10.35,3.125)
